# Altium PCB WatcherJet3.pcbdoc (part 1 of 3) (continued)
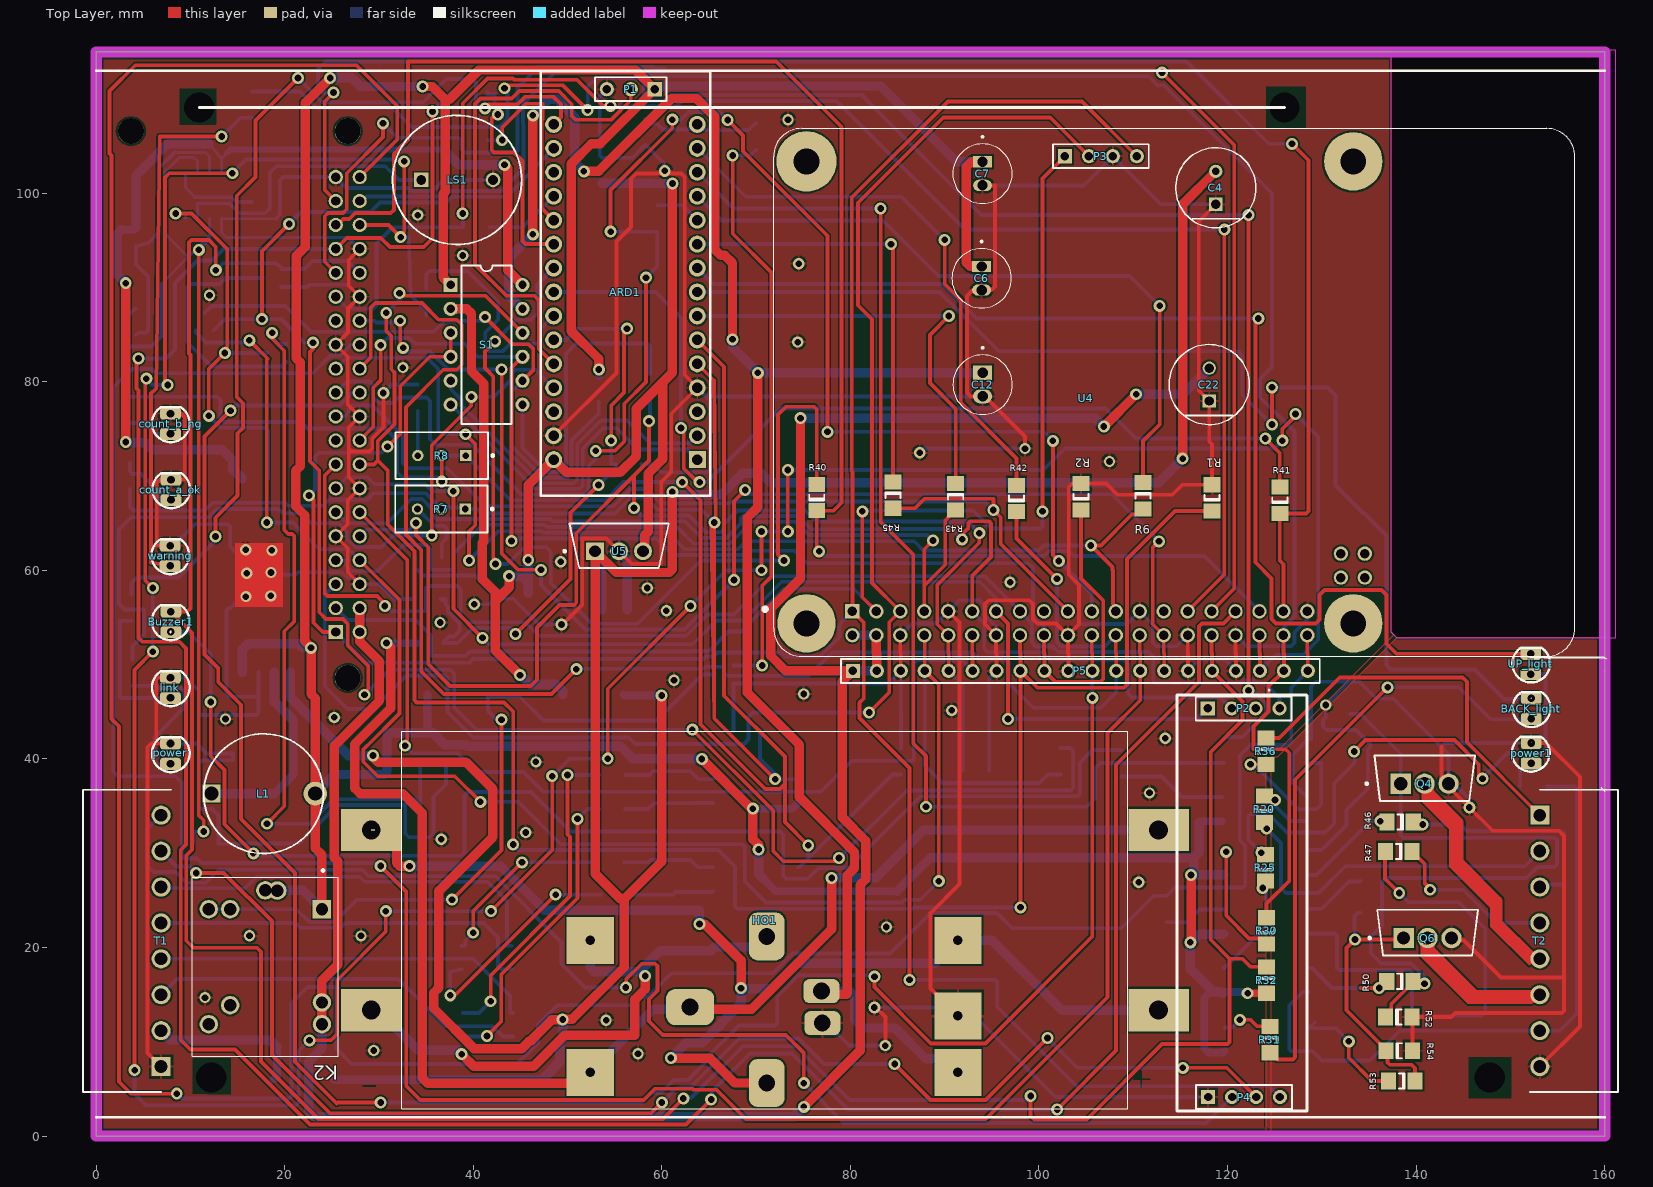
[diagram p0: Top Layer view]
## Footprints (in the part's own frame and the unit in brackets; to place one, negate y for a bottom-side part, rotate by r counter-clockwise, add the part's x,y. Pads: shape width x height; smd on the part's side, far side on the other; paste and mask are expansions set on the pad) (continued)
  silkscreen extent -5.6,-2.3 3.05,2.8, body extent -4.87,-2.29 4.88,2.29, height 4

## Part data
A1: "Raspberry Pi Zero WH (Zero W with Headers)", Package=None, Availability=Unavailable, MP=ADA3708, Price=None
ARD1: library part "Arduino Nano R3", "Arduino Nano R3"
BACK_light count_a_ok count_b_ng link power power1 UP_light warning: library part "LED 3mm", "Typical LED", Designer="Seyed Mohsen Ghasemian", PackageDescription="LED; 2 Leads", PackageReference=LED, Published=02/04/2012, Publisher=www.picpars.com
Buzzer1: library part "LED 3mm_2", "Typical LED", Designer="Seyed Mohsen Ghasemian", PackageDescription="LED; 2 Leads", PackageReference=LED, Published=02/04/2012, Publisher=www.picpars.com
C1 C2: library part CMP-2000-05018-2, "General Purpose Ceramic Capacitor, 1206, 100nF, 10%, X7R, 15%, 50V", Capacitance=100nF, Case Code (Imperial)=1206, Case Code (Metric)=3216, Dielectric=X7R, Dielectric Material=Ceramic, Insulation Resistance=100GR, Max Operating Temperature=125°C, Min Operating Temperature=-55°C, Package Quantity=1, Tolerance=10%, Voltage=50V, Case/Package=1206, Construction=Flat, Contact Plating=Tin, Depth=1.6mm, Dissipation Factor=2.5%, Height=0.94mm, Lead Free="Lead Free", Length=3.2mm, Mount="Surface Mount", Number of Pins=2, Packaging="Tape and Reel", Radiation Hardening=No, REACH SVHC="No SVHC", RoHS Compliant=Yes, Series=-, Termination=SMD/SMT, Thickness=0.037inch, Voltage Rating=50V, Voltage Rating (DC)=50V, Width=1.6mm
C3 C16 C18 C23: library part CMP-2000-07191-2, "CAP TANT 10UF 10% 20V 1411", Capacitance=10uF, Case Code (Imperial)=1411, Case Code (Metric)=3528, Dielectric Material=Tantalum, ESR (Equivalent Series Resistance)=2.1R, Leakage Current=2uA, Max Operating Temperature=125°C, Min Operating Temperature=-55°C, Package Quantity=1, Ripple Current=201mA, Tolerance=10%, Voltage=20V, Case/Package=1411, Depth=2.8mm, Dissipation Factor=6%, Failure Rate=0.001%, Features="General Purpose", Height=1.9mm, Height - Seated (Max)=0.083inch, Lead Free="Lead Free", Length=3.5mm, Life (Hours)=2000Hour, Mount="Surface Mount", Number of Pins=2, Packaging="Tape and Reel", Polarity=Polar, Radiation Hardening=No, REACH SVHC="No SVHC", RoHS Compliant=Yes, Termination=SMD/SMT, Voltage Rating=20V, Voltage Rating (DC)=20V, Weight=0.002293oz, Width=2.8mm
C4 C22: library part CMP-05427-001033-1, "Aluminum Electrolytic Capacitors (Radial Lead Type) 1000uF ±20% 10V", Capacitance=1mF, Case/Package=Radial, ESR (Equivalent Series Resistance)=41mR, Max Operating Temperature=105°C, Min Operating Temperature=-40°C, Package Quantity=200, Ripple Current=1.24A, Tolerance=20%, Voltage=10V, Construction=RADIAL, Contact Plating=Tin, Diameter=8mm, Dissipation Factor=0.19%, Height=15mm, Height - Seated (Max)=0.65inch, Impedance=41mR, Lead Diameter=0.6mm, Lead Pitch=3.5mm, Lead/Base Style=Straight, Length=15mm, Life (Hours)=8000Hour, Mount="Through Hole", Number of Pins=2, Packaging=Bulk, Radiation Hardening=No, REACH SVHC="No SVHC", Ripple Current (AC)=1.24A, RoHS Compliant=Yes, Series=FR, Termination=Radial, Voltage Rating=10V, Voltage Rating (DC)=10V
C6 C7 C12: library part UPM1C181MED1TD, "Cap Aluminum Lytic 180uF 16V 20% (6.3 X 15mm) Radial 2.5mm 285mA 2000h 105Â°C Ammo", Package=None, Check_prices=https://www.snapeda.com/parts/UPM1C181MED1TD/Nichicon/view-part/?ref=eda, MF=Nichicon, MP=UPM1C181MED1TD, SnapEDA_Link=https://www.snapeda.com/parts/UPM1C181MED1TD/Nichicon/view-part/?ref=snap
C8 C9: "Ceramic Chip Capacitor - Standard", PackageDocument=Mar-2001, Code_IPC="3216 [1206]", Code_JEITA=1206, ComponentLink1Description="Manufacturer Link", ComponentLink1URL=http://www.kemet.com/, ComponentLink2Description=Datasheet, ComponentLink2URL=http://www.kemet.com/kemet/web/homepage/kechome.nsf/vapubfilesname/F3102TA.pdf/$file/F3102TA.pdf, DatasheetDocument=Mar-2001, LatestRevisionDate=19-Mar-2004, LatestRevisionNote="Silkscreen size reduced.", PackageReference=1206, Published=17-Jul-2002, Publisher="Altium Limited"
CH1: library part "2-cell charger module"
D1 D2 D3 D4: library part CMP-02539-000012-1, "DIODE SCHOTTKY 40V 3A DO214AB", Forward Current=3A, Manufacturer=Vishay, Max Junction Temp=+150°C, Max Repetitive Reverse Voltage=40V, Max Surge Forward Current=100A, Package=95402, Peak Reverse Current=0.5mA, Temperature="-55°C to +150°C", Temperature Range Low=-55°C, Automotive=No, Category=Diode, ComponentLink2Description=Datasheet, ComponentLink2URL=http://www.vishay.com/docs/88751/ss32.pdf, Device Class L1="Discrete Semiconductors", Device Class L2=Diodes, Device Class L3="Schottky Diodes", Digikey Description="DIODE SCHOTTKY 40V 3A DO214AB", Footprint Url=http://www.vishay.com/docs/95402/smc.pdf, Height=2.62mm, Lead Free=Yes, Manufacturer Part Number=SS34-E3/57T, Mouser Description="Schottky Diodes & Rectifiers 3.0 Amp 40 Volt", Octopart=https://octopart.com/ss34-e3%2F57t-vishay-39552907, RoHS=TRUE, Standoff Height=0mm, Temperature Range High=+150°C
D5 D9 D11: library part LLZ5248B, "Zener Diode Single 18V 5% 21Ohm 500mW 2-Pin Mini-MELF", Package="MINI MELF-2-2 Taiwan Semiconductor", Availability="Not in stock", Check_prices=https://www.snapeda.com/parts/LLZ5248B/Taiwan+Semiconductor/view-part/?ref=eda, MF="Taiwan Semiconductor", MP=LLZ5248B, Price=None, SnapEDA_Link=https://www.snapeda.com/parts/LLZ5248B/Taiwan+Semiconductor/view-part/?ref=snap
D6: library part LLZ5248B, "Zener Diode Single 3V 5% 21Ohm 500mW 2-Pin Mini-MELF", Package="MINI MELF-2-2 Taiwan Semiconductor", Availability="Not in stock", Check_prices=https://www.snapeda.com/parts/LLZ5248B/Taiwan+Semiconductor/view-part/?ref=eda, MF="Taiwan Semiconductor", MP=LLZ5248B, Price=None, SnapEDA_Link=https://www.snapeda.com/parts/LLZ5248B/Taiwan+Semiconductor/view-part/?ref=snap
D7 D8: "Bridge Rectifier Single Phase Standard 1 kV Surface Mount MBF", Package="SMD-4 Diodes Inc.", Availability="In Stock", Check_prices=https://www.snapeda.com/parts/MB10F-13/Diodes+Inc./view-part/?ref=eda, MF="Diodes Inc.", MP=MB10F-13, Price=None, Purchase-URL=https://pricing.snapeda.com/search/part/MB10F-13/?ref=eda, SnapEDA_Link=https://www.snapeda.com/parts/MB10F-13/Diodes+Inc./view-part/?ref=snap
K2: "ORWH Series Miniature PCB Relay with Wash Tight 1-Pole 1-Form C 1 CO 12 VDC 400 Ohm 360 mW Silver Zinc Oxide", Package=None, Availability=Unavailable, MP=1-1721150-3, Price=None
L1: library part CMP-2000-05038-1, "Fixed Inductor, 10 uH, +/- 10%, -40 to 85 degC, 2-Pin THD, RoHS, Bulk", Case Diameter=12.7mm, Case Length=18mm, Inductance=10uH, Manufacturer=ABRACON, Maximum DC Current=8.8A, Maximum DC Resistance=0.031Ohms, Operating Temperature Range=-40Cto+125C, Package / Case=12.7mmx18mm, Package Description="2-Pin Through Hole Device, Dia 12.7 mm, Pitch 7.37 mm", Package Reference=AIUR-06, Tolerance=10%, Brand=ABRACON, Core Material=Ferrite, Datasheet URL=http://www.abracon.com/Magnetics/radial/AIUR05-06.pdf, Datasheet Version="Rev. 1.1, 08/2004", Factory Pack Quantity=250, Lead Diameter=0.81mm, Lead Spacing=7.37mm, Manufacturer URL=http://www.abracon.com/, Packaging=Bulk, Product=PowerInductors, Product Category=FixedInductors, RoHS=Details, Series=AIUR-06, Shielding=Unshielded, Termination Style=Radial, Type=ThruHolePowerInductor
LS1: library part CMP-2000-06518-1, "Piezo Indicator, 4100 Hz, 3 to 16 V, -20 to 70 degC, 2-Pin THD, RoHS", Current - Max=7A, Frequency Range=3600to4600Hz, Manufacturer=KingstateElectronicsCorp., Maximum Resonant Frequency=4600Hz, Maximum Supply Current=7mA, Operating Temperature=-20to70°C, Package Description="2-Pin Through Hole Device, Body Dia 13.7 mm, Pitch 7.62 mm", PartNumber=KPE-242, Typical Operating Supply Voltage=12Vdc, Category=AudioIndicatorsandAlerts, Datasheet URL=https://datasheet.ciiva.com/11776/0900766b8068f3a2-11776713.pdf, Datasheet Version=01/2006, Manufacturer URL=http://www.kingstate.com.tw/index.php/en/, Minimum Sound Pressure=70dBA, Mounting=ThroughHole, Mounting Technology=ThroughHole, Package Reference=KPEG242, Product Diameter=13.7mm, Product Height=7.6mm, Technology=Piezo, Termination Method=Pin, Tone Mode=Continuous, Type=Indicator
OC1 OC2 OC3 OC4 OC5 OC6: "Optoisolator Transistor Output 5000Vrms 1 Channel 4-SMD", Package="SMD-4 SOCLE Technology", Availability="In Stock", Check_prices=https://www.snapeda.com/parts/PC81713NIP0X/SHARP%252FSocle+Technology/view-part/?ref=eda, MF="SHARP/Socle Technology", MP=PC81713NIP0X, Price=None, Purchase-URL=https://pricing.snapeda.com/search/part/PC81713NIP0X/?ref=eda, SnapEDA_Link=https://www.snapeda.com/parts/PC81713NIP0X/SHARP%252FSocle+Technology/view-part/?ref=snap
OC7 OC8: library part PC81713NIP0X, "Optoisolator Transistor Output 5000Vrms 1 Channel 4-SMD", Package="SMD-4 SOCLE Technology", Availability="In Stock", Check_prices=https://www.snapeda.com/parts/PC81713NIP0X/SHARP%252FSocle+Technology/view-part/?ref=eda, MF="SHARP/Socle Technology", MP=PC81713NIP0X, Price=None, Purchase-URL=https://pricing.snapeda.com/search/part/PC81713NIP0X/?ref=eda, SnapEDA_Link=https://www.snapeda.com/parts/PC81713NIP0X/SHARP%252FSocle+Technology/view-part/?ref=snap
P1: "Header, 3-Pin", LatestRevisionDate=17-Jul-2002, LatestRevisionNote="Re-released for DXP Platform.", Publisher="Altium Limited"
P2 P3 P4: "Header, 4-Pin", LatestRevisionDate=17-Jul-2002, LatestRevisionNote="Re-released for DXP Platform.", Publisher="Altium Limited"
P5: "Header, 20-Pin", LatestRevisionDate=17-Jul-2002, LatestRevisionNote="Re-released for DXP Platform.", Publisher="Altium Limited"
Q1 Q3 Q8: library part CMP-1048-00828-1, "45 V, 0.5 A, NPN Transistor, 3-Pin SOT-23, Pb-Free, Tape and Reel", Manufacturer="On Semiconductor", PartNumber=BCX19LT1G, ComponentLink1Description="Manufacturer URL", ComponentLink1URL=http://www.onsemi.com/, ComponentLink2Description=Datasheet, ComponentLink2URL=http://www.onsemi.com/pub_link/Collateral/BCX17LT1-D.PDF, ComponentLink3Description="Package Specification", ComponentLink3URL=http://www.onsemi.cn/pub_link/Collateral/318-08.PDF, DatasheetVersion="Rev. 7", IC Continuous (A)=0.5, Mounting Technology="Surface Mount", PackageDescription="3-Pin Small Outline Transistor, Body 2.92 x 1.3 mm, Pitch 0.95 mm", PackageReference=SOT-23-3-318-08, PackageVersion="Rev. AP, 11/2009", Packing="Tape and Reel", Polarity=NPN, RoHS=TRUE
Q2: library part CMP-07173-000101-1, "MOSFET N-CH 50V 220MA SOT-23", Case/Package=SOT-23, Continuous Drain Current (ID)=220mA, Drain to Source Breakdown Voltage=50V, Drain to Source Resistance=3.5R, Gate to Source Voltage (Vgs)=20V, Input Capacitance=27pF, Max Operating Temperature=150°C, Max Power Dissipation=360mW, Min Operating Temperature=-55°C, On-State Resistance=6R, Package Quantity=1, Threshold Voltage=1.3V, Contact Plating=Tin, Current Rating=220mA, Drain to Source Voltage (Vdss)=50V, Dual Supply Voltage=50V, Element Configuration=Single, Fall Time=9ns, Height=0.93mm, Lead Free="Lead Free", Length=2.92mm, Mount="Surface Mount", Nominal Vgs=1.3V, Number of Elements=1, Number of Pins=3, Packaging="Tape and Reel", Power Dissipation=360mW, Radiation Hardening=No, Rds On Max=3.5R, REACH SVHC="No SVHC", Rise Time=9ns, Termination=SMD/SMT, Turn-Off Delay Time=20ns, Turn-On Delay Time=2.5ns, Voltage Rating (DC)=50V, Weight=0.03g, Width=1.3mm
Q4 Q6: library part CMP-00196-65873332-1, "IRF3205LPBF 55V Single N-Channel HEXFET Power MOSFET in a TO-262 package, TO262-3, RoHS", Case/Package=TO-262, Continuous Drain Current (ID)=110A, Drain to Source Breakdown Voltage=55V, Drain to Source Resistance=8mΩ, Gate to Source Voltage (Vgs)=20V, Input Capacitance=3.247nF, Max Junction Temperature (Tj)=175°C, Max Power Dissipation=200W, Min Operating Temperature=-55°C, Package Quantity=1000, Threshold Voltage=4V, Current Rating=110A, Drain to Source Voltage (Vdss)=55V, Fall Time=65ns, Height=9.65mm, Lead Free="Contains Lead, Lead Free", Length=10.668mm, Lifecycle Status=Production, Max Operating Temperature=175°C, Mount="Through Hole", NexarPartId=65873332, Number of Elements=1, Number of Pins=3, On-State Resistance=8mΩ, Packaging=Bulk, Power Dissipation=200W, Radiation Hardening=No, Rds On Max=8mΩ, REACH SVHC="No SVHC", Rise Time=101ns, RoHS=Compliant, Schedule B="8541290080, 8541290080", Turn-Off Delay Time=50ns, Turn-On Delay Time=14ns, Voltage Rating (DC)=55V, Width=4.826mm
R1 R2 R3 R4 R5 R6 R9 R10 R11 R12 R13 R14 R15 R16 R17 R18 R19 R20 R21 R22 R23 R24 R25 R26 R27 R28 R29 R30 R31 R32 R33 R34 R35 R36 R37 R38 R39 R40 R41 R42 R43 R44 R45 R46 R47 R48 R49 R50 R51 R52 R53 R54: library part "Resistor SMD", "Resistor", LatestRevisionDate=17-Jul-2002, LatestRevisionNote="Re-released for DXP Platform.", PackageDescription="Axial Device, Thru-Hole; 2 Leads; 0.4 in Pin Spacing", PackageReference=AXIAL-0.4, Published=8-Jun-2000, Publisher="Altium Limited"
R7 R8: library part CMP-1747-00001-8, "TRIMMER 10K OHM 0.5W PC PIN TOP", Color=Blue, Insulation Resistance=1GR, Max Operating Temperature=125°C, Max Power Dissipation=500mW, Min Operating Temperature=-55°C, Package Quantity=50, Resistance=10kR, Resistance Tolerance=10%, Resistor Type=Cermet, Temperature Coefficient=100ppm/°C, Contact Plating=Tin, Depth=4.83mm, Height=11.55mm, Lead Free="Lead Free", Length=9.53mm, Military Standard=Not, Mount="Through Hole", Number of Turns=25, Packaging=Rail/Tube, Power Rating=500mW, Radiation Hardening=No, Reach SVHC Compliant=Yes, RoHS Compliant=Yes, Series=3296, Taper=Linear, Technology=CERMET, Termination=Pin, Tolerance=10%, Weight=0.03oz, Width=9.53mm
S1: "DIP Switch, 6 Position, SPST", LatestRevisionDate=17-Jul-2002, LatestRevisionNote="Re-released for DXP Platform.", PackageDescription="DIP Switch; 12 Leads", PackageReference=DIP-12/SW, Published=24-Mar-1999, Publisher="Altium Limited"
T1 T2: "8 Position Terminal Block Header, Male Pins, Shrouded (4 Side) 0.150 (3.81mm) 90Â°, Right Angle - Through Hole", Package=None, Availability="In Stock", Check_prices=https://www.snapeda.com/parts/1803332/Phoenix+Contact/view-part/?ref=eda, MF="Phoenix Contact", MP=1803332, Price=None, Purchase-URL=https://pricing.snapeda.com/search?q=1803332&ref=eda, SnapEDA_Link=https://www.snapeda.com/parts/1803332/Phoenix+Contact/view-part/?ref=snap
U1: library part CMP-04858-000027-1, "IC OSC SGL TIMER 100KHZ 8-SOIC", Case/Package=SOIC, Frequency=100kHz, High Level Output Current=-200mA, Low Level Output Current=200mA, Max Operating Temperature=70°C, Max Supply Voltage=16V, Min Operating Temperature=0°C, Min Supply Voltage=4.5V, Nominal Supply Current=2mA, Operating Supply Current=10mA, Package Quantity=2500, Quiescent Current=15mA, Height=1.58mm, Lead Free="Lead Free", Length=4.9mm, Mount="Surface Mount", Number of Pins=8, Number of Timers/Counters=1, Packaging="Tape and Reel", Radiation Hardening=No, RoHS Compliant=Yes, Series=-, Supply Current=2mA, Weight=0.002561oz, Width=3.91mm
U3: library part CMP-2000-06545-1, "Simple Switcher(R) Power Converter 150 kHz Step-Down Voltage Regulator, 3 A, 4.5 to 40 V, -40 to 125 degC, 5-Pin TO-263 (KTT), Green (RoHS & no Sb/Br), Tape and Reel", Manufacturer="Texas Instruments", Operating Temperature Max=125°C, Operating Temperature Min=-40°C, Operating Temperature Range=-40°Cto+125°C, Output Current=3A, Output Voltage=37V, Package Description="5-Pin Plastic Flange Mount, Body 10.16 x 8.925 mm, Pitch 1.7 mm", Package Reference=KTT5, Package Version="4200577-4/G, 01/2013", PartNumber=LM2596, Primary Input Voltage=40V, Voltage Regulator Case Style=TO-263, Datasheet URL=http://www.ti.com/lit/ds/symlink/lm2596.pdf, Datasheet Version="Rev. C, 04/2013", Manufacturer URL=http://www.ti.com/, Mounting Technology=SurfaceMount, MSL=MSL3-168hours, No. of Outputs=1, No. of Pins=5, Number of Outputs=1, Package URL=http://www.ti.com/litv/pdf/mpsf007e, SVHC=NoSVHC(19-Dec-2012)
U4: "Case Plastic, ABS Black Hand Held, Split Sides 3.520 L x 2.740 W (89.41mm x 69.60mm) X 0.980 (24.89mm)", Package="Raspberry Pi", Availability="In Stock", Check_prices=https://www.snapeda.com/parts/RASPBERRY%20PI%203%20MODEL%20B+/Raspberry+Pi/view-part/?ref=eda, MF="Raspberry Pi", MP="RASPBERRY PI 3 MODEL B+", Price=None, Purchase-URL="https://pricing.snapeda.com/search/part/RASPBERRY PI 3 MODEL B+/?ref=eda", SnapEDA_Link=https://www.snapeda.com/parts/RASPBERRY%20PI%203%20MODEL%20B+/Raspberry+Pi/view-part/?ref=snap
U5: library part CMP-04917-000014-1, "IC REG LINEAR 15V 1A TO220-3", Dropout Voltage=2V, Manufacturer="Texas Instruments", Max Junction Temp=+150°C, Max Supply Voltage=30V, Min Supply Voltage=7.5V, Nominal Supply Current=8mA, Output Current=1.5A, Output Voltage=15V, Package=NDE0003B, Temperature="0°C to +125°C", Temperature Range High=+125°C, Temperature Range Low=0°C, Accuracy Percentage=3%, Automotive=No, Category=IC, ComponentLink2Description=Datasheet, ComponentLink2URL=http://www.ti.com/lit/ds/symlink/lm7800.pdf, Device Class L1="Integrated Circuits (ICs)", Device Class L2="Power Management ICs", Device Class L3="Voltage Regulators - Linear", Digikey Description="IC REG LINEAR 15V 1A TO220-3", Height=19.55mm, Ipc Land Pattern Name=TO-220, Lead Free=Yes, Manufacturer Part Number=LM7815CT/NOPB, Mouser Description="Linear Voltage Regulators 15 Volt Reg", Number of Outputs=1, Octopart=https://octopart.com/lm7815ct%2Fnopb-texas+instruments-23919376, Output Type=Fixed, RoHS=TRUE, Standoff Height=3.3mm

## Free pads (board coordinates)
  round 3 hole 3.2: 3(10.922,109.093) 3(12.192,6.223) 3(126.051,109.093) 3(147.809,6.222)
  round 1.95 hole 1.3: 4(14.201,24.066) 5(14.201,13.879) 6(23.931,14.177) 8(19.202,26.034)
  round 6.2 hole 2.75: S3(133.338,103.392)
  round 6.4 hole 2.75: S4(75.338,103.392)

## Via types
v1: diameter 1.27, hole 0.711, Top Layer to Bottom Layer, 222 vias
v2: diameter 1.2, hole 0.7, Top Layer to Bottom Layer, 42 vias

## Nets (pads, with @x,y where several pads share a name; then routed paths per layer and width w, separated by ;. In a path a pad name is that pad's centre, name@x,y a point inside that pad or via, vN(x,y) a via of type N, cw(c..) or ccw(c..) an arc to the next point about the centre after c; other vN are vias at no path point)
3.7V: CCH1.3 CH1.3 HO1.1 HO1.4 | length 123
  Top Layer w1: HO1.4@29.164,32.466 31.852,32.466 31.852,28.969 32.194,28.626 v1(33.223,28.626) ; v1(60.942,8.273) 60.985,8.231 65.126,8.231 67.728,5.629 CCH1.3@71.119,5.629 ; v1(63.983,22.49) 64.534,22.49 68.396,18.628 v1(68.396,15.683)
  Bottom Layer w1: v1(33.223,28.626) 42.901,28.626 47.574,23.952 63.96,23.952 63.96,22.513 v1(63.983,22.49) ; v1(60.942,8.273) 62.555,9.886 64.236,9.886 68.396,14.045 v1(68.396,15.683) 68.447,15.631 71.589,15.631 74.296,18.339 88.984,18.339 CH1.3@91.397,20.752 95.03,20.752 102.416,13.366 HO1.1@112.689,13.366
3V3: ARD1.17 Q2.1 R24.2 | length 194.5
  Top Layer w0.4: v1(17.575,86.657) 17.575,93.864 v1(20.456,96.745) ; v1(22.996,84.157) 22.996,83.501 22.679,83.185 22.679,71.576 23.646,70.609 23.646,55.564 24.371,54.839 26.162,54.839 26.67,54.331 26.67,52.045 28.84,49.874 28.84,47.44 28.448,47.048 v1(28.448,46.812) ; v1(63.221,43.104) 71.806,34.519 71.806,30.226 72.873,29.159 79.045,29.159 79.07,29.185 79.07,29.21 v1(78.791,29.489)
  Bottom Layer w0.4: Q2.1@12.465,85.478 12.465,85.471 13.65,86.657 v1(17.575,86.657) 19.592,86.657 22.091,84.157 v1(22.996,84.157) ; v1(20.456,96.745) 21.73,98.019 29.083,98.019 30.099,99.035 37.09,99.035 37.7,99.644 43.563,99.644 ARD1.17@48.514,104.775 ; v1(28.448,46.812) 31.09,49.454 37.592,49.454 37.973,49.073 37.973,45.466 40.335,43.104 v1(63.221,43.104) ; v1(78.791,29.489) 85.966,36.664 103.352,36.664 103.632,36.944 103.632,40.846 103.314,41.164 R24.2@102.272,41.164
3V3_Rasp: A1.1 P3.4 P4.4 S1.3 S1.4 U4.1 | length 273.5
  Top Layer w0.4: v1(22.555,67.958) 23.046,67.467 23.046,54.447 24.026,53.467 A1.1@25.4,53.467 ; v1(30.899,73.127) 32.237,74.465 32.237,79.538 35.365,82.666 S1.4@37.592,82.666 S1.3@37.592,85.206 ; v1(86.267,16.578) 86.267,39.031 80.956,44.342 80.956,45.974 81.407,46.425 81.407,54.463 U4.1@80.208,55.662 80.208,70.469 80.132,70.546 80.132,99.547 90.338,109.753 104.567,109.753 P3.4@110.378,103.943
  Bottom Layer w0.4: v1(22.555,67.958) 23.19,68.593 23.19,72.06 23.622,72.492 30.264,72.492 v1(30.899,73.127) ; A1.1@25.4,53.467 28.672,50.195 39.559,50.195 39.958,50.594 64.407,50.594 64.675,50.862 65.467,50.862 65.888,51.283 72.695,51.283 73.101,50.876 76.773,50.876 78.842,52.945 78.842,54.295 U4.1@80.208,55.662 ; v1(86.267,16.578) 86.272,16.582 95.338,16.582 95.572,16.348 95.572,13.703 103.983,5.292 124.411,5.292 P4.4@125.561,4.142
5V: C6.P C7.P D3.1 K2.A1 K2.COM L1.2 OC1.4 OC2.4 OC3.1 OC4.1 OC5.1 OC6.1 OC7.1 P1.1 pad.8 R32.2 R49.2 S1.1 U3.4 | length 421.4
  Top Layer w0.8: v1(122.138,15.148) R32.2@124.138,15.148
  Top Layer w1: K2.A1@23.931,24.066 23.931,29.82 23.226,30.524 L1.2@23.226,36.323 23.226,46.446 22.781,46.891 22.781,51.857 22.112,52.526 22.112,65.847 21.158,66.801 21.158,70.589 21.628,71.058 21.628,82.087 21.22,82.494 21.22,93.37 22.163,94.313 22.163,109.59 v1(24.816,112.243) ; v1(34.627,111.333) 35.644,111.333 37.019,109.958 ; S1.1@37.592,90.286 36.79,91.087 36.79,99.938 37.019,100.166 37.019,109.958 ; v1(53.301,81.305) 53.301,82.462 50.368,85.395 50.368,103.124 52.502,105.258 53.447,105.258 P1.1@59.237,111.048 57.2,113.085 40.588,113.085 37.46,109.958 37.019,109.958 ; v1(64.237,40.005) 69.516,34.726 v1(69.64,34.726) 69.64,31.503 70.264,30.878 v1(70.264,30.395) ; C6.P@93.911,92.239 92.711,92.239 92.304,92.647 92.304,102.813 92.837,103.346 C7.P@94.008,103.346 ; v1(116.059,20.543) 116.131,20.615 v1(116.131,27.694)
  Bottom Layer w0.8: R49.2@53.301,80.655 v1(53.301,81.305) ; v1(69.64,34.726) 73.843,34.726 OC1.4@74.434,35.316 ; 70.764,27.302 72.098,25.968 OC2.4@74.406,25.968 84.92,25.968 ; 116.992,33.279 117.125,33.412 OC7.1@119.408,33.412 ; 118.014,15.125 117.542,14.654 117.542,9.324 118.011,8.856 119.564,8.856 OC5.1@119.694,8.985 ; OC3.1@119.485,15.125 OC3.1@119.638,15.278 122.008,15.278 v1(122.138,15.148)
  Bottom Layer w0.86: 35.109,45.11 D3.1@35.134,46.845 35.134,43.332
  Bottom Layer w1: U3.4@15.499,49.192 15.499,51.622 16.084,52.208 21.464,52.208 21.836,51.836 22.73,51.836 v1(22.781,51.784) ; K2.COM@17.931,26.066 21.931,26.066 K2.A1@23.931,24.066 ; L1.2@23.226,36.323 25.257,38.354 30.518,38.354 30.836,38.672 30.836,42.481 31.153,42.799 ; v1(24.816,112.243) 27.115,112.243 28.024,111.333 v1(34.627,111.333) ; 32.991,42.799 31.153,42.799 ; P1.1@59.237,111.048 59.487,111.298 59.986,111.298 60.073,111.386 83.217,111.386 91.256,103.346 C7.P@94.008,103.346 ; v1(64.237,40.005) 56.953,40.005 ; v1(70.264,30.395) 70.264,27.802 70.764,27.302 ; 84.92,25.968 88.467,29.515 116.407,29.515 ; 116.992,33.279 116.992,30.101 116.407,29.515 ; OC3.1@119.485,15.125 119.286,15.325 118.459,15.325 116.059,17.725 v1(116.059,20.543) 116.132,20.543 116.976,21.387 119.509,21.387 OC6.1@119.601,21.479 ; OC4.1@119.582,27.697 119.581,27.696 116.132,27.696 v1(116.131,27.694) 116.131,27.768 116.407,28.043 116.407,29.515 ; 31.153,42.799 35.668,42.799 36.938,41.529 39.192,41.529 39.352,41.369 55.578,41.369 ; 55.578,41.369 55.589,41.369 56.953,40.005 ; 55.578,41.369 56.942,40.005 56.953,40.005
5V_RPI: A1.2 A1.4 C22.2 K2.NC P5.1 P5.2 pad.6 U4.2 U4.4 | length 252.4
  Top Layer w1: K2.NC@23.931,11.866 pad.6@23.931,14.177 23.931,16.489 25.629,18.186 25.629,29.134 25.248,29.515 25.248,41.385 27.358,43.496 30.031,46.169 30.031,50.372 27.94,52.463 A1.2@27.94,53.467 A1.4@27.94,56.007 ; v1(74.701,76.149) 74.701,59.129 71.538,55.966 71.538,50.94 73.133,49.346 P5.1@80.256,49.346 79.146,48.236 79.146,33.794 81.631,31.309 81.631,27.235 81.019,26.624 81.019,9.061 v1(75.051,3.093) ; U4.4@82.748,53.122 82.748,51.254 82.796,51.206 P5.2@82.796,49.346 ; v1(106.883,75.26) v1(110.312,78.689)
  Bottom Layer w1: K2.NC@23.931,11.866 23.941,11.856 23.941,9.31 22.534,7.903 22.534,2.643 23.12,2.057 74.016,2.057 v1(75.051,3.093) ; v1(74.701,76.149) 105.994,76.149 v1(106.883,75.26) ; U4.2@80.208,53.122 U4.4@82.748,53.122 ; P5.1@80.256,49.346 P5.2@82.796,49.346 ; v1(110.312,78.689) 115.278,78.689 C22.2@118.058,81.47
7.4V: CCH1.5 CH1.5 HO1.3 R10.2 | length 149.4
  Top Layer w1: v1(30.78,52.292) 31.231,51.841 31.231,45.399 27.415,41.583 27.415,36.896 28,36.31 32.534,36.31 34.574,34.27 34.574,6.172 35.16,5.586 51.231,5.586 CH1.5@52.397,6.752 ; CCH1.5@63.146,13.444 69.502,13.444 78.003,21.946 v1(78.003,27.381)
  Bottom Layer w0.8: v1(30.78,52.292) R10.2@34.015,52.292
  Bottom Layer w1: CH1.5@52.397,6.752 59.089,13.444 CCH1.5@63.146,13.444 ; v1(78.003,27.381) 82.658,27.381 87.743,32.466 HO1.3@112.689,32.466
12V-24V-INPUT: D1.2 T1.2 | length 16.6
  Bottom Layer w0.86: D1.2@18.827,5.988 19.185,6.346 19.185,9.421
  Bottom Layer w1: T1.2@6.873,11.176 7.864,10.185 18.421,10.185 19.185,9.421
12V_IN_D2: R23.2
A0: ARD1.19 R37.2 | length 8.2
  Bottom Layer w0.4: R37.2@41.713,96.415 45.234,96.415 ARD1.19@48.514,99.695
A1: ARD1.20 R38.2 | length 21.1
  Top Layer w0.4: v1(43.053,105.668) 43.053,106.962 45.593,109.503 47.31,109.503 47.339,109.474 47.339,107.874 47.214,107.749 47.214,98.455 ARD1.20@48.514,97.155
  Bottom Layer w0.4: R38.2@41.522,105.64 43.026,105.64 v1(43.053,105.668)
A2: ARD1.21 R39.2 | length 23.9
  Top Layer w0.4: v1(42.596,108.356) 42.332,108.356 41.961,107.985 41.961,104.58 42.195,104.346 44.282,104.346 45.212,103.416 45.212,94.932 45.529,94.615 ARD1.21@48.514,94.615
  Bottom Layer w0.4: R39.2@41.496,110.755 R39.2@41.496,110.486 ; v1(42.596,108.356) 42.259,108.693 R39.2@42.259,110.486 ; R39.2@41.496,110.486 R39.2@42.259,110.486 ; R39.2@41.496,110.486 R39.2@42.259,110.486
A3: ARD1.22 R40.2 | length 103.5
  Top Layer w0.4: v1(42.285,84.296) 41.225,83.236 41.225,81.465 42.11,80.581 42.11,61.341 42.185,61.265 42.185,60.838 v1(42.352,60.672) ; v1(72.962,61.062) 72.32,61.703 72.32,76.537 73.152,77.368 76.147,77.368 76.427,77.089 R40.2@76.427,69.136
  Bottom Layer w0.4: v1(42.285,84.296) 44.577,86.589 46.101,86.589 46.787,87.274 46.787,90.348 ARD1.22@48.514,92.075 ; v1(42.352,60.672) 43.654,60.672 45.434,62.452 47.752,62.452 48.203,62.001 48.203,58.68 52.527,54.356 57.429,54.356 64.113,61.04 69.592,61.04 69.614,61.062 v1(72.962,61.062)
A4: ARD1.23 R41.2 | length 103.4
  Top Layer w0.4: v1(62.027,75.108) 62.306,74.828 62.306,70.837 63.776,69.367 v1(64,69.367) ; v1(124.003,73.99) 125.543,72.45 R41.2@125.543,68.849
  Bottom Layer w0.4: ARD1.23@48.514,89.535 59.309,89.535 62.027,86.817 v1(62.027,75.108) ; v1(64,69.367) 64.77,69.367 72.593,77.191 107.086,77.191 110.287,73.99 v1(124.003,73.99)
A5: ARD1.24 R34.2 | length 25.7
  Bottom Layer w0.4: R34.2@34.999,89.822 34.999,91.393 35.369,91.763 39.377,91.763 42.647,88.494 42.647,86.614 41.25,85.217 41.25,83.731 41.719,83.261 43.129,83.261 43.917,84.049 46.698,84.049 47.041,84.391 47.041,85.522 ARD1.24@48.514,86.995
A6: ARD1.25 C18.2 R10.1 R18.2 | length 62.7
  Top Layer w0.4: v1(44.475,53.264) 50.311,59.1 50.311,66.11 v1(53.264,69.063) ; v1(54.618,73.761) 54.618,77.497 55.982,78.86 55.982,85.623 56.007,85.649 v1(56.299,85.649)
  Bottom Layer w0.4: R18.2@36.815,56.732 R18.2@36.567,56.981 36.569,56.984 37.063,56.984 37.063,56.385 37.297,56.151 37.297,55.593 38.528,54.362 38.528,53.563 37.957,52.992 37.415,52.992 36.815,52.392 R10.1@36.815,52.292 38.347,52.292 39.935,53.88 43.86,53.88 v1(44.475,53.264) ; ARD1.25@48.514,84.455 49.835,84.455 51.029,85.649 v1(56.299,85.649) ; v1(53.264,69.063) 54.28,70.079 55.115,70.079 C18.2@55.141,71.269 54.635,71.269 54.618,71.286 v1(54.618,73.761)
A7: ARD1.26 P1.2 | length 53.9
  Top Layer w0.4: ARD1.26@48.514,81.915 46.965,83.464 46.965,88.646 46.482,89.129 43.51,89.129 40.183,92.456 40.183,109.474 40.764,110.056 44.061,110.056 44.861,110.856 49.047,110.856 50.444,109.459 50.444,108.204 50.851,107.798 54.61,107.798 56.697,109.885 P1.2@56.697,111.048
AR_5V: ARD1.27 R12.2 | length 80.9
  Top Layer w0.4: v1(35.585,63.703) 35.585,73.279 39.776,77.47 v1(39.776,78.422)
  Bottom Layer w0.4: R12.2@3.835,50.556 3.835,51.973 5.055,53.193 5.055,55.829 5.029,55.855 2.984,55.855 2.413,56.426 2.413,64.338 3.708,65.634 11.974,65.634 12.208,65.868 12.208,65.932 12.796,66.52 19.346,66.52 19.793,66.074 21.731,66.074 22.806,64.999 25.705,64.999 26.568,64.135 26.568,63.367 27.462,62.473 30.277,62.473 31.507,63.703 v1(35.585,63.703) ; v1(39.776,78.422) 42.202,78.422 44.044,80.264 44.044,80.899 44.425,81.28 46.609,81.28 ARD1.27@48.514,79.375
AR_IN_9V: ARD1.30 C1.1 C16.2 D4.2 S1.2 U5.3 | length 136.5
  Top Layer w1: S1.2@37.592,87.746 39.305,87.746 39.802,87.249 39.802,81.122 41.123,79.801 41.123,63.094 40.958,62.929 40.958,59.064 42.316,57.706 42.316,56.716 ; v1(43.794,59.392) 43.794,58.194 42.316,56.716 ; v1(44.941,48.896) 42.316,51.52 42.316,56.716 ; v1(45.821,61.1) 45.821,69.062 ARD1.30@48.514,71.755 49.871,70.398 55.565,70.398 57.288,72.121 57.288,77.167 60.07,79.948 ; U5.3@57.993,62.037 58.165,62.21 58.165,63.724 58.53,64.089 58.53,70.261 60.07,71.801 60.07,79.948 ; v1(61.112,101.046) 61.112,80.991 60.07,79.948
  Bottom Layer w1: v1(43.794,59.392) 45.077,59.392 45.821,58.649 ; v1(44.941,48.896) 45.014,48.896 45.992,47.918 48.756,47.918 49.506,47.168 D4.2@49.506,46.818 ; C1.1@45.821,57.587 45.821,58.649 ; v1(45.821,61.1) 45.821,58.649 ; C16.2@53.643,101.081 58.941,101.081 ; v1(61.112,101.046) 59.027,101.046 ; 58.941,101.081 58.992,101.081 59.027,101.046 ; 58.941,101.081 58.977,101.046 59.027,101.046
B1: Q6.2 T2.6 | length 15
  Top Layer w1: Q6.2@141.221,21.005 141.441,20.785 141.441,19.805 146.258,14.989 T2.6@153.126,14.989
D0_gpio20: R46.1 T2.3 | length 25.1
  Top Layer w0.4: R46.1@139.705,33.299 139.705,33.199 140.305,32.599 140.705,32.599 v1(140.705,33.043)
  Bottom Layer w0.4: v1(140.705,33.043) 144.727,33.043 145.4,32.371 155.451,32.371 155.685,32.136 155.685,26.907 155.451,26.673 153.38,26.673 T2.3@153.126,26.419
D1_gpio21: R47.1 T2.4 | length 18
  Top Layer w0.4: R47.1@139.574,30.2 140.932,28.841 140.932,26.797 141.501,26.229 v1(141.501,26.128)
  Bottom Layer w0.4: v1(141.501,26.128) 145.008,26.128 148.528,22.609 T2.4@153.126,22.609
D2: ARD1.5 C8.2 OC1.3 R7.1 R7.2 R15.2 | length 144.7
  Top Layer w0.4: ARD1.5@63.754,81.915 65.398,80.271 65.513,80.156 65.719,65.241 65.604,65.123 v1(65.557,65.075) 65.557,44.308 ; v1@65.27,65.071 65.557,44.308 ; v1(72.009,37.856) 65.557,44.308
  Bottom Layer w0.4: R15.2@3.541,68.628 3.541,66.741 3.937,66.345 11.494,66.345 12.334,67.184 20.045,67.184 20.376,66.853 23.261,66.853 24.016,66.853 24.702,67.539 28.753,67.539 29.413,68.199 34.925,68.199 R7.2@36.608,66.516 36.782,66.689 38.975,66.689 R7.1@39.148,66.516 40.406,66.516 40.87,66.052 54.994,66.052 56.659,67.716 58.236,67.716 59.52,66.432 64.2,66.432 v1(65.557,65.075) ; C8.2@70.393,42.969 70.393,40.031 v1@72.568,37.856 ; v1(72.009,37.856) v1@72.568,37.856 ; OC1.3@74.434,37.856 v1@72.568,37.856
D3: ARD1.6 C9.2 OC2.3 R8.1 R8.2 R27.2 | length 184.3
  Top Layer w0.4: v1(36.646,69.444) R8.2@36.646,72.184 ; v1(62.154,69.367) 64.084,67.437 64.084,43.688 70.968,36.805 72.517,36.805 73.044,37.332 ; ARD1.6@63.754,84.455 66.599,81.61 66.599,46.704 73.044,40.259 73.044,37.332 ; v1(75.524,30.835) 73.044,33.315 73.044,37.332
  Bottom Layer w0.4: R27.2@3.659,78.43 12.827,78.43 13.183,78.074 13.183,76.136 13.576,75.743 21.717,75.743 22.403,75.057 30.67,75.057 31.934,73.793 31.934,70.421 32.496,69.859 36.23,69.859 v1(36.646,69.444) ; R8.2@36.646,72.184 R8.1@39.186,72.184 43.933,67.437 53.989,67.437 55.92,69.367 v1(62.154,69.367) ; OC2.3@74.406,28.508 74.6,28.508 75.524,29.432 ; v1(75.524,30.835) 75.524,29.432 ; C9.2@85.36,38.364 84.456,38.364 75.524,29.432
D4_AR: ARD1.7 R43.1 | length 46.4
  Top Layer w0.4: v1(90.437,86.995) 88.425,84.983 88.425,79.884 91.159,77.149 R43.1@91.159,69.211
  Bottom Layer w0.4: ARD1.7@63.754,86.995 v1(90.437,86.995)
D4_RASp: A1.7 R43.2 U4.7 | length 90.6
  Top Layer w0.4: U4.7@87.828,55.662 87.828,58.369 ; v1(88.76,63.17) 87.828,62.238 87.828,58.369 ; R43.2@91.159,66.411 91.059,66.411 90.459,65.811 90.459,65.711 90.055,65.307 90.055,60.596 87.828,58.369
  Bottom Layer w0.4: A1.7@25.4,61.087 26.441,61.087 26.467,61.062 26.467,60.566 27.114,59.919 29.845,59.919 32.614,62.687 35.052,62.687 35.433,62.306 35.433,60.098 35.458,60.073 37.871,60.073 37.903,60.104 37.903,61.802 40.954,64.852 47.549,64.852 47.784,64.617 61.596,64.617 63.373,62.84 67.196,62.84 69.526,65.17 74.187,65.17 75.6,63.757 88.173,63.757 v1(88.76,63.17)
D5_AR: ARD1.8 BACK_light.2 | length 128
  Top Layer w0.4: v1(124.714,75.476) v1(124.714,79.417)
  Bottom Layer w0.4: ARD1.8@63.754,89.535 89.459,89.535 95.733,83.261 121.107,83.261 121.564,82.804 121.564,78.626 v1(124.714,75.476) ; v1(124.714,79.417) 130.601,79.417 131.467,78.551 131.467,69.005 134.383,66.089 134.46,66.089 136.855,63.694 136.855,49.936 137.287,49.505 146.202,49.505 149.334,46.373 BACK_light.2@152.178,46.373
D6_AR: ARD1.9 UP_light.2 | length 130.9
  Top Layer w0.4: v1(123.266,86.716) 122.961,86.411 122.961,60.858 124.663,59.157 124.663,54.864 125.146,54.381 129.35,54.381 129.769,54.8 129.769,57.404 130.277,57.912 136.347,57.912 136.855,57.404 136.855,52.222 137.917,51.16 UP_light.2@152.178,51.16
  Bottom Layer w0.4: ARD1.9@63.754,92.075 65.43,90.399 89.687,90.399 93.37,86.716 v1(123.266,86.716)
D7_AR: ARD1.10 R45.1 | length 45.9
  Top Layer w0.4: v1(84.303,94.615) 84.512,94.405 R45.1@84.512,69.392
  Bottom Layer w0.4: ARD1.10@63.754,94.615 v1(84.303,94.615)
D7_RASp: A1.19 R45.2 U4.19 | length 104.8
  Top Layer w0.4: R45.2@84.512,66.592 86.862,66.592 87.884,67.615 95.199,67.615 95.166,67.582 95.161,67.576 v1(95.161,66.411) 95.937,65.635 95.937,62.794 U4.19@103.068,55.662
  Bottom Layer w0.4: A1.19@25.4,76.327 26.327,76.327 26.772,76.772 26.772,77.153 27.114,77.495 29.286,77.495 32.537,74.244 32.537,71.374 33.071,70.841 37.236,70.841 41.275,66.802 54.895,66.802 56.724,68.631 58.42,68.631 59.919,67.132 67.188,67.132 67.36,67.304 94.268,67.304 v1(95.161,66.411)
D8_AR: ARD1.11 R5.1 | length 4.9
  Bottom Layer w0.4: R5.1@59.494,98.732 62.177,98.732 ARD1.11@63.754,97.155
D8_RASp: A1.21 R5.2 U4.21 | length 175.4
  Top Layer w0.4: v1(52.982,72.694) 55.015,72.694 56.007,73.687 56.007,77.686 58.318,79.997 v1(58.318,91.059) ; v1(54.559,95.932) 54.559,100.355 61.105,106.901 v1(61.105,107.818) ; v1(66.98,107.772) 68.605,106.147 68.605,104.47 77.572,95.504 v1(77.572,74.701) ; v1(101.473,73.749) 101.473,61.646 v1(102.108,61.011)
  Bottom Layer w0.4: A1.21@25.4,78.867 26.568,80.035 29.019,80.035 29.388,79.667 29.388,78.355 29.972,77.77 31.458,77.77 32.021,78.334 35.052,78.334 35.408,77.978 35.408,73.914 35.992,73.33 39.84,73.33 45.115,68.055 51.88,68.055 52.222,68.398 52.222,71.056 52.982,71.816 v1(52.982,72.694) ; v1(54.559,95.932) R5.2@59.494,95.932 59.494,92.235 v1(58.318,91.059) ; v1(61.105,107.818) 62.022,107.818 62.84,108.636 66.116,108.636 v1(66.98,107.772) ; v1(77.572,74.701) 100.52,74.701 v1(101.473,73.749) ; v1(102.108,61.011) 105.608,57.51 U4.21@105.608,55.662
D9_AR: ARD1.12 R6.1 | length 73.3
  Top Layer w0.4: R6.1@111.04,69.332 111.04,73.727 112.801,75.489 v1(112.801,88.062)
  Bottom Layer w0.4: ARD1.12@63.754,99.695 66.319,97.13 83.464,97.13 89.357,91.237 109.626,91.237 v1(112.801,88.062)
D9_RASp: A1.23 R6.2 U4.23 | length 119.8
  Top Layer w0.4: v1(39.179,74.447) 40.208,73.419 40.208,64.795 39.548,64.136 v1(39.548,61.052) ; U4.23@108.148,55.662 107.933,55.877 107.933,56.366 107.842,56.458 107.842,59.997 107.806,60.033 107.806,60.348 v1(105.502,62.652) 106.573,62.652 109.872,65.951 110.459,65.951 R6.2@111.04,66.532
  Bottom Layer w0.4: A1.23@25.4,81.407 26.564,82.571 35.082,82.571 36.271,81.382 36.271,74.816 36.639,74.447 v1(39.179,74.447) ; v1(39.548,61.052) 42.663,64.167 47.25,64.167 47.4,64.017 60.621,64.017 62.398,62.24 68.072,62.24 68.926,63.094 86.766,63.094 87.732,62.128 99.95,62.128 100.474,62.652 v1(105.502,62.652)
D10: ARD1.13 OC8.1 | length 121.9
  Top Layer w0.4: v1(83.21,98.4) 83.21,65.151 86.665,61.697 86.665,41.64 88.004,40.3 v1(88.004,34.931)
  Bottom Layer w0.4: ARD1.13@63.754,102.235 67.589,98.4 v1(83.21,98.4) ; v1(88.004,34.931) 105.06,34.931 105.97,35.841 105.97,39.044 106.489,39.563 OC8.1@119.568,39.563
D11: ARD1.14 R42.2 | length 59.5
  Top Layer w0.4: v1(89.992,95.072) 89.992,90.418 91.706,88.704 91.706,77.802 97.625,71.883 R42.2@97.625,69.03
  Bottom Layer w0.4: ARD1.14@63.754,104.775 68.885,99.644 85.42,99.644 v1(89.992,95.072)
D12_relay: ARD1.15 R3.2 R4.1 | length 13
  Bottom Layer w0.4: R4.1@58.243,107.874 58.732,107.385 59.495,107.385 60.099,106.781 62.841,106.781 63.375,107.315 64.062,107.315 64.688,106.689 69.16,106.689 69.904,107.433 R3.2@70.004,107.433
D13: ARD1.16 R11.2 | length 101.1
  Top Layer w0.4: v1(12.642,63.592) 12.642,65.598 14.991,67.947 14.991,74.548 15.567,75.124 15.567,77.739 14.895,78.411 14.895,99.743 16.887,101.735 16.887,107.743 v1(21.387,112.243) ; v1(41.224,109.017) 41.624,109.417 44.659,109.417 45.478,110.236 48.514,110.236 49.301,109.449 49.301,108.102 ARD1.16@48.514,107.315
  Bottom Layer w0.4: R11.2@3.733,57.453 3.733,58.674 4.317,59.258 8.723,59.258 12.642,63.178 v1(12.642,63.592) ; v1(21.387,112.243) 23.971,109.658 34.66,109.658 37.143,112.141 39.84,112.141 40.284,111.697 40.284,109.474 40.742,109.017 v1(41.224,109.017)
DE_RE: A1.11 P2.2 P2.3 U4.11 | length 124.9
  Top Layer w0.4: v1(91.848,63.306) 92.015,63.472 92.015,64.024 92.507,64.516 92.507,64.993 92.741,65.227 94.683,65.227 94.917,64.993 94.917,61.414 92.908,59.406 U4.11@92.908,55.662
  Bottom Layer w0.4: A1.11@25.4,66.167 26.568,64.999 30.836,64.999 33.401,67.564 34.569,67.564 35.606,66.527 35.606,65.905 36.059,65.452 48.149,65.452 48.384,65.217 62.46,65.217 64.237,63.44 66.837,63.44 68.36,64.962 68.36,65.508 68.621,65.77 74.442,65.77 75.854,64.357 82.845,64.357 82.878,64.39 90.764,64.39 v1(91.848,63.306) ; U4.11@92.908,55.662 94.183,54.387 94.183,51.689 94.554,51.318 100.371,51.318 101.168,50.521 109.029,50.521 109.449,50.102 109.449,46.926 109.842,46.533 119.266,46.533 P2.2@120.435,45.364 P2.3@122.975,45.364